# Altium PCB main.PcbDoc (part 2 of 2)
Units mm, origin at the board's own origin, x right, y up, seen from the top; angles counter-clockwise.
Board outline 102 x 102 mm, 2 copper layers (Top Layer, Bottom Layer); 121 components, 96 nets, 438 pads, 258 vias.
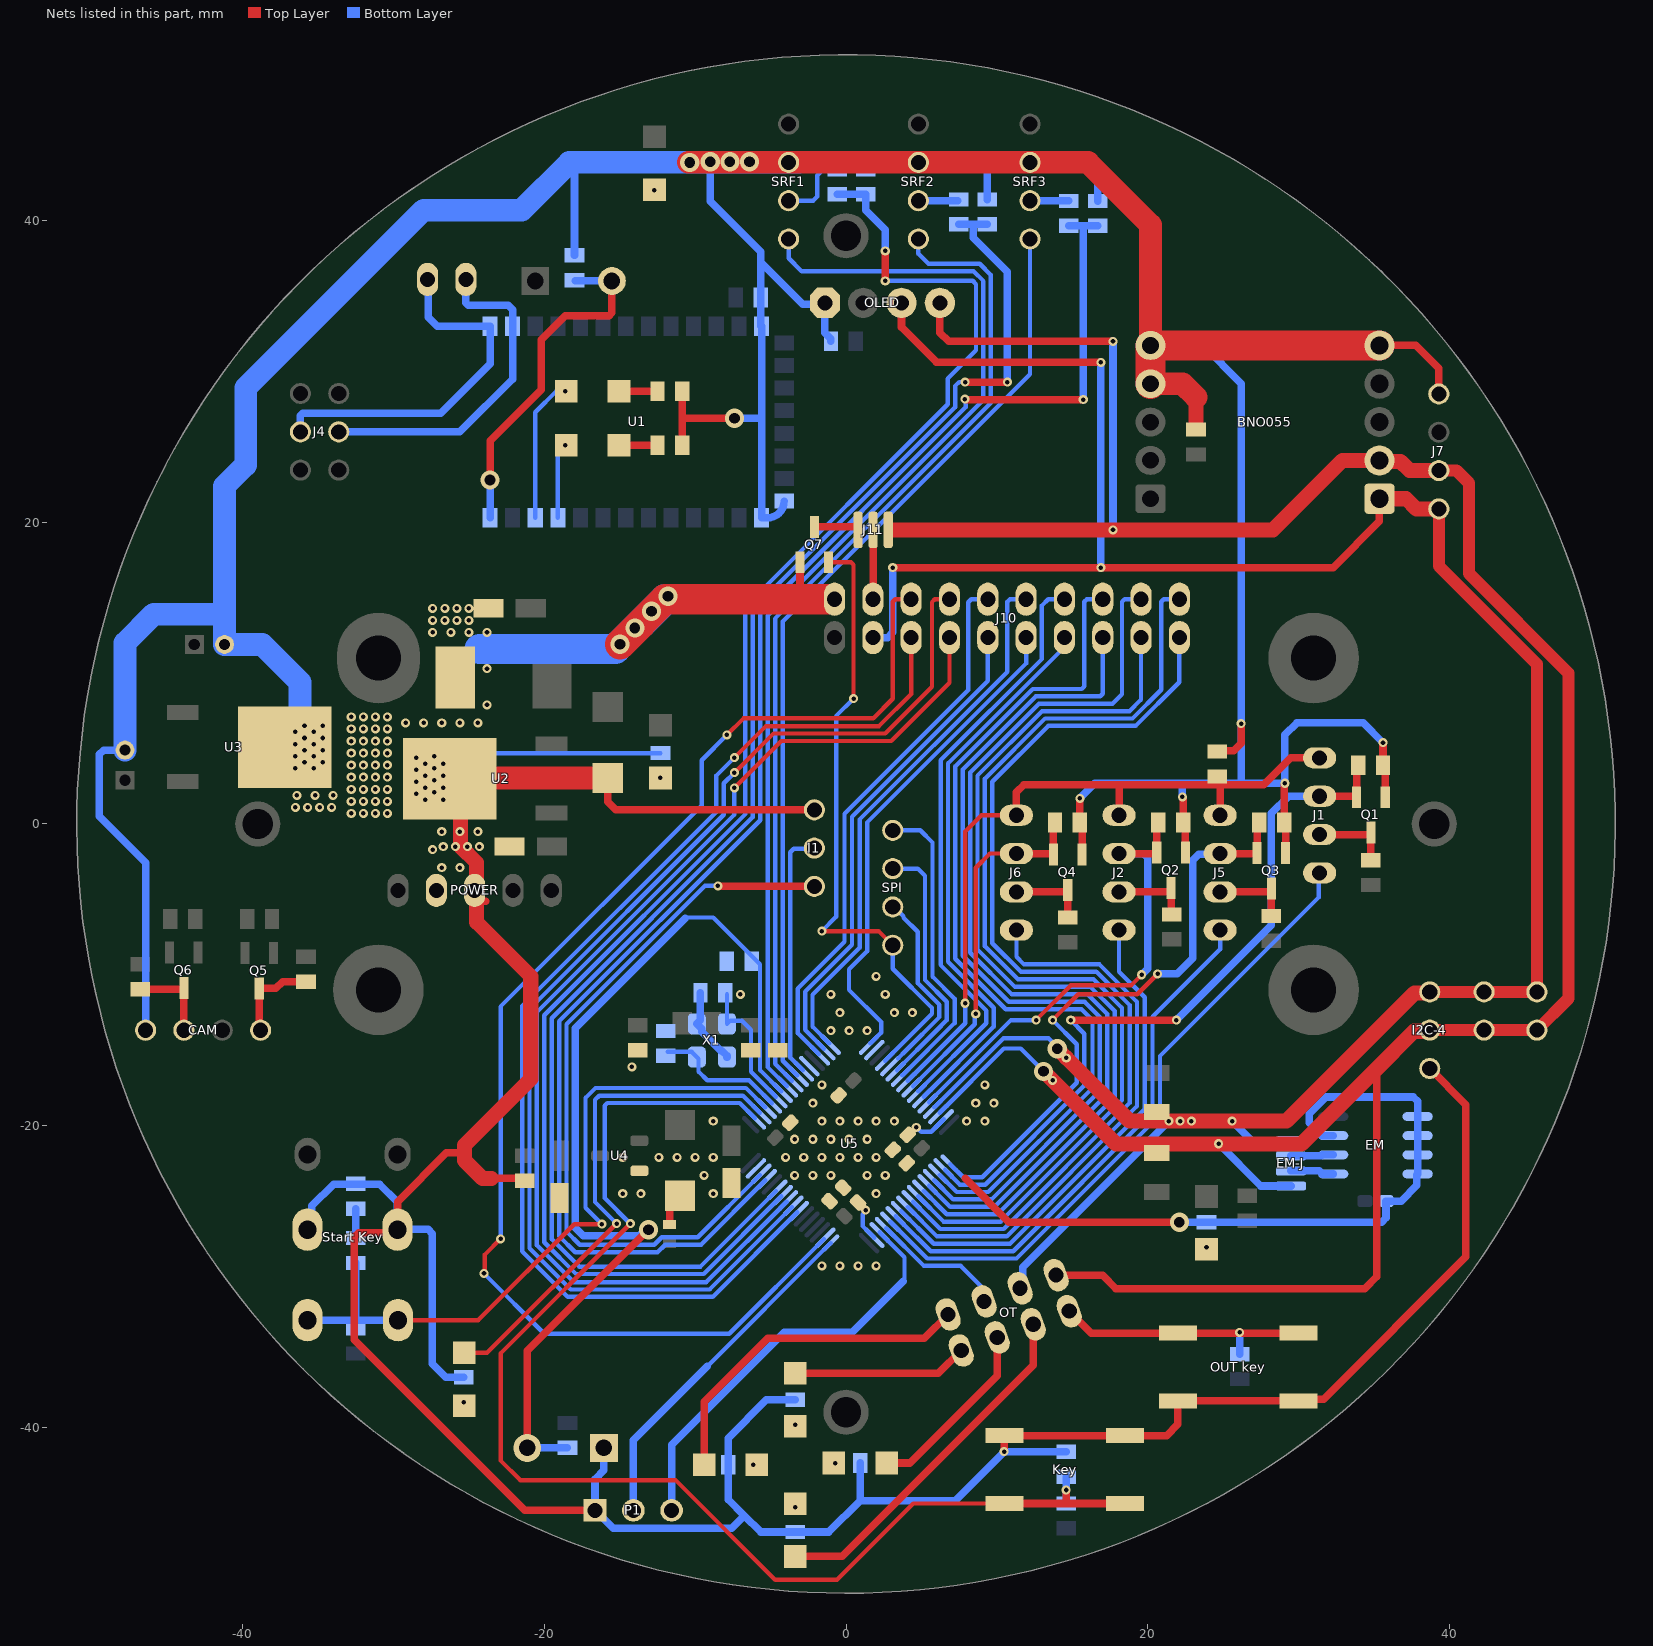
[diagram p2: the nets of this part, all layers, seen from the top]

## Via types
v1: diameter 0.6, hole 0.3, Top Layer to Bottom Layer, tented both sides, 240 vias
v2: diameter 1.27, hole 0.711, Top Layer to Bottom Layer, tented both sides, 18 vias

## Nets (pads, with @x,y where several pads share a name; then routed paths per layer and width w, separated by ;. In a path a pad name is that pad's centre, name@x,y a point inside that pad or via, vN(x,y) a via of type N, cw(c..) or ccw(c..) an arc to the next point about the centre after c; other vN are vias at no path point) (continued)
GND: "OUT key.2" "Start Key.2" "Start Key.5" BNO055.5 BNO055.6 BNO055.7 C1.2 C2.2 C3.2 C4.2 C5.2 C6.1 C12.2 C13.2 C14.2 C20.1 C25.2 C26.2 C27.2 C28.2 C29.2 C30.2 C31.2 C32.2 C33.2 C34.2 C35.2 C36.2 C37.1 C38.2 C39.2 CAM.4 Ck.1 EM.1 EM.2 EM.3 EM.4 EM.7 I1.3 I2C-4.3 J7.4 J9.2 J10.20 Key.2 NRST.1 OLED.1 P1.1 POWER.2 POWER.3 Q1.1 Q2.1 Q3.1 Q4.1 Q7.1 R1.2 R9.1 R10.1 R17.1 R20.1 R21.1 R37.2 R38.2 R39.2 R42.1 R43.1 R44.1 R45.1 R46.1 R48.1 RI1A.2 RI2A.1 RI3A.2 RI4A.2 SRF1.2 SRF2.2 SRF3.2 TVS1.1 TVS.1 U1.13 U1.21 U1.22 U2.2 U3.2 U4.1 U5.12 U5.18 U5.63 X1.2 X1.4 | length 646.3
  Top Layer w0.29: -3.05,15.05 -2.9,14.9
  Top Layer w0.5: U2.2@-26.275,3 U2.2@-26.225,3.05 ; -25.3,-21.8 -26.5,-21.8 -29.731,-25.031 -29.731,-26.9 -29.919,-27.088 -32.307,-27.088 -32.6,-27.381 -32.6,-34.2 -21.3,-45.5 P1.1@-16.64,-45.5 ; POWER.3@-24.62,-4.4 -24.62,-4.556 -24.486,-4.691 -24.051,-5.125 -23.895,-5.125 ; -23.5,-23.5 -21.45,-23.5 C6.1@-21.3,-23.65 ; TVS1.1@-15.8,3.05 -15.8,1.479 -15.261,0.94 I1.3@-2.1,0.94 ; J9.2@-11.7,-26.556 -11.7,-25.35 TVS.1@-11,-24.65 ; R10.1@-10.85,25.1 -10.85,26.9 ; R17.1@-10.85,28.7 -10.85,26.9 ; v2(-7.4,26.9) -10.85,26.9 ; -3.05,15.05 Q7.1@-3.05,17.35 ; 7.9,-23.5 10.8,-26.4 v2(22.1,-26.4) ; v1(10.484,-41.616) 10.484,-40.574 Key.2@10.507,-40.55 Key.2@18.492,-40.55 21.25,-40.55 22.007,-39.793 22.007,-38.25 29.992,-38.25 30.119,-38.123 31.677,-38.123 41.1,-28.7 41.1,-18.61 I2C-4.3@38.7,-16.21 ; v1(15.5,1.7) RI4A.2@15.5,0.1 15.65,-0.05 Q4.1@15.65,-2.025 ; v1(22.3,1.8) 22.3,1.773 22.35,1.723 RI3A.2@22.35,0.1 22.5,-0.05 Q2.1@22.5,-1.9 ; R1.2@24.6,4.8 24.657,4.857 25.707,4.857 26.2,5.35 v1(26.2,6.65) ; v1(29.1,2.7) 29.1,2.673 29.05,2.623 RI2A.1@29.05,0.1 29.15,0 Q3.1@29.15,-1.925 ; BNO055.5@35.367,31.724 37.776,31.724 39.3,30.2 J7.4@39.3,28.51 ; v1(35.6,5.4) RI1A.2@35.6,3.9 35.75,3.75 Q1.1@35.75,1.775
  Top Layer w1: U2.2@-25.55,4.65 -25.55,3.05 -25.55,-1.5 -24.486,-2.564 -24.486,-4.691 -24.486,-6.514 -20.9,-10.1 -20.9,-16.9 -25.3,-21.3 -25.3,-21.8 -25.3,-22.3 -24.1,-23.5 -23.5,-23.5 ; C12.2@23.2,26.4 23.2,28.3
  Top Layer w1.5: U2.2@-26.225,3.05 -25.55,3.05 TVS1.1@-15.8,3.05 ; v2@-10.46,43.86 SRF1.2@-3.8,43.86 SRF2.2@4.8,43.86 SRF3.2@12.2,43.86 16.04,43.86 20.186,39.714 BNO055.6@20.186,31.724 ; BNO055.7@20.186,29.184 22.316,29.184 23.2,28.3
  Top Layer w2: v2(-14.98,11.92) -12,14.9 -11,14.9 -2.9,14.9 J10.20@-1.2,14.9 ; BNO055.7@20.186,29.184 BNO055.6@20.186,31.724 BNO055.5@35.367,31.724
  Bottom Layer w0.29: -24.1,4.7 R9.1@-12.3,4.7
  Bottom Layer w0.5: C14.2@-47.8,4.9 -49.207,4.9 -49.5,4.607 -49.5,0.5 -46.434,-2.566 CAM.4@-46.434,-13.673 ; -35.7,-26.9 -35.413,-26.613 -35.413,-25.313 -33.973,-23.873 -30.927,-23.873 -29.753,-25.047 -29.753,-26.878 -27.711,-26.878 -27.418,-27.171 -27.418,-35.792 -26.528,-36.682 R42.1@-25.334,-36.682 ; -18.34,43.86 -18,43.52 R21.1@-18,37.7 ; NRST.1@-16.053,-41.365 -16.053,-42.853 -16.64,-43.44 P1.1@-16.64,-45.5 -15.44,-46.7 -7.577,-46.7 -6.739,-45.862 ; C36.2@-9.651,-11.176 -9.651,-13.012 X1.2@-9.89,-13.251 -9.571,-13.57 -9.571,-13.77 -8.309,-15.032 -8.236,-15.032 -7.89,-15.378 X1.4@-7.89,-15.451 ; v2(-9,43.9) -9,43.86 -9,41.3 -5.65,37.95 -5.65,37.25 ; v2(-7.4,26.9) -5.7,26.9 -5.6,27 ; U1.21@-4.1,21.4 cw(c-5.2,21.4) -5.2,20.3 U1.22@-5.6,20.3 -5.6,27 ; R46.1@-3.37,-38.176 -5.276,-38.176 -7.815,-40.715 R45.1@-7.815,-42.493 -7.815,-44.785 -6.739,-45.862 ; C25.2@-1,32 -1,32.175 -1.4,32.575 OLED.1@-1.4,34.55 -1.493,34.457 -2.857,34.457 -5.65,37.25 ; R43.1@0.947,-42.366 0.947,-44.853 ; R37.2@1.316,43.4 1.491,43.4 1.951,43.86 SRF2.2@4.8,43.86 ; R38.2@9.376,41.4 9.376,43.567 9.669,43.86 SRF3.2@12.2,43.86 16.24,43.86 16.682,43.418 R39.2@16.682,41.3 ; Ck.1@14.594,-41.616 v1(10.484,-41.616) 7.247,-44.853 0.947,-44.853 ; v1(15.5,1.7) 16.5,2.7 22.3,2.7 ; BNO055.6@20.186,31.724 23.676,31.724 26.2,29.2 26.2,2.7 ; v2(22.1,-26.4) R44.1@23.9,-26.4 35.507,-26.4 35.8,-26.107 C5.2@35.8,-25 36.8,-25 37.838,-23.962 37.838,-23.251 37.884,-23.205 EM.4@37.9,-23.205 EM.3@37.9,-21.935 EM.2@37.9,-20.665 EM.1@37.9,-19.395 37.9,-18.393 37.607,-18.1 31.834,-18.1 30.707,-19.227 30.707,-19.807 31.515,-20.615 31.523,-20.615 31.573,-20.665 EM.7@32.3,-20.665 ; v1@22.3,1.827 22.3,2.7 ; v1(35.6,5.4) 34.3,6.7 29.9,6.7 29.1,5.9 v1(29.1,2.7) 26.2,2.7 ; -6.739,-45.862 -5.662,-46.938 R48.1@-3.37,-46.938 -1.138,-46.938 0.947,-44.853 ; -5.65,37.25 C1.2@-5.65,34.9 -5.65,33.05 ccw(c-5.6,33.05) U1.13@-5.6,33 -5.6,27 ; 22.3,2.7 26.2,2.7
  Bottom Layer w1.5: C14.2@-47.8,4.9 -47.8,12 -45.9,13.9 -41.2,13.9 ; -36.2,6.4 -36.2,9.4 -38.7,11.9 C13.2@-41.2,11.9 -41.2,13.9 ; SRF1.2@-3.1,43.86 SRF1.2@-3.8,43.86 -6.4,43.86 -7.7,43.86 -9,43.86 v2(-10.36,43.86) -12.8,43.86 -18.34,43.86 -21.5,40.7 -28,40.7 -39.8,28.9 -39.8,23.8 -41.2,22.4 -41.2,13.9
  Bottom Layer w2: -24.3,11.6 -15.3,11.6 v2@-11.988,14.912
  other v1: -1.6,-29.3 -0.4,-29.3 0.8,-29.3 2,-29.3 -14.8,-24.5 -13.6,-24.5 -8.8,-24.5 2,-24.5 -9.4,-23.3 -3.4,-23.3 -2.2,-23.3 -1,-23.3 1.4,-23.3 2.6,-23.3 -14.8,-22.1 -12.4,-22.1 -11.2,-22.1 -10,-22.1 -8.8,-22.1 -4,-22.1 -2.8,-22.1 -1.6,-22.1 -0.4,-22.1 0.8,-22.1 2,-22.1 -3.4,-20.9 -2.2,-20.9 -1,-20.9 0.2,-20.9 1.4,-20.9 -8.8,-19.7 -1.6,-19.7 -0.4,-19.7 0.8,-19.7 2,-19.7 3.2,-19.7 8,-19.7 9.2,-19.7 -2.2,-18.5 8.6,-18.5 9.8,-18.5 -1.6,-17.3 9.2,-17.3 -14.2,-16.1 -1,-13.7 0.2,-13.7 1.4,-13.7 -0.4,-12.5 3.2,-12.5 4.4,-12.5 -7,-11.3 -1,-11.3 2.6,-11.3 2,-10.1 -26.8,-2.9 -25.6,-2.9 -27.4,-1.7 -26.7,-1.5 -25.9,-1.5 -25.1,-1.5 -24.3,-1.5 -26.8,-0.5 -25.6,-0.5 -24.4,-0.5 -32.8,0.7 -32,0.7 -31.2,0.7 -30.4,0.7 -36.5,1.1 -35.7,1.1 -34.9,1.1 -34.1,1.1 -32.8,1.5 -32,1.5 -31.2,1.5 -30.4,1.5 -27.9,1.6 -26.7,1.6 -36.4,1.9 -35.2,1.9 -34,1.9 -28.5,2 -27.3,2.1 -32.8,2.3 -32,2.3 -31.2,2.3 -30.4,2.3 -27.9,2.4 -26.7,2.4 -28.5,2.8 -27.3,2.9 -32.8,3.1 -32,3.1 -31.2,3.1 -30.4,3.1 -27.9,3.2 -26.7,3.2 -28.5,3.6 -36.5,3.7 -35.3,3.7 -27.3,3.7 -32.8,3.9 -32,3.9 -31.2,3.9 -30.4,3.9 -27.9,4 -26.7,4 -35.9,4.1 -34.7,4.1 -28.5,4.4 -36.5,4.5 -35.3,4.5 -27.3,4.5 -32.8,4.7 -32,4.7 -31.2,4.7 -30.4,4.7 -35.9,4.9 -34.7,4.9 -36.5,5.3 -35.3,5.3 -32.8,5.5 -32,5.5 -31.2,5.5 -30.4,5.5 -35.9,5.7 -34.7,5.7 -36.5,6.1 -35.3,6.1 -32.8,6.3 -32,6.3 -31.2,6.3 -30.4,6.3 -35.9,6.5 -34.7,6.5 -29.2,6.7 -28,6.7 -26.8,6.7 -25.6,6.7 -24.4,6.7 -32.8,7.1 -32,7.1 -31.2,7.1 -30.4,7.1 -23.8,7.9 -23.8,10.3 -27.4,12.7 -26.2,12.7 -25,12.7 -23.8,12.7 -27.4,13.5 -26.6,13.5 -25.8,13.5 -25,13.5 -27.4,14.3 -26.6,14.3 -25.8,14.3 -25,14.3
  other v2: -14,13 -12.9,14.1 -11.8,15.1 -7.7,43.9 -6.4,43.9
I2C-INT: OT.3 U5.45 | length 9
  Bottom Layer w0.29: U5.45@2.672,-26.809 2.675,-26.809 5.166,-29.3 7.6,-29.3 9.042,-30.742 9.042,-31.535 OT.3@9.158,-31.651
INT1-A: J1.2 Q1.2 RI1A.1 U5.34 | length 48.7
  Top Layer w0.5: v1(14.9,-13) v1(21.9,-13) ; J1.2@31.4,1.84 33.8,1.84 Q1.2@33.85,1.79 ; Q1.2@33.85,1.775 Q1.2@33.85,1.79 ; RI1A.1@33.95,3.9 33.85,3.8 Q1.2@33.85,1.79
  Bottom Layer w0.29: U5.34@6.561,-22.92 7.551,-23.91 9.232,-23.91 15.8,-17.342 15.8,-13.9 v1(14.9,-13)
  Bottom Layer w0.5: v1@21.919,-12.981 28.2,-6.7 28.2,0.7 29.34,1.84 J1.2@31.4,1.84
INT1-B: J1.3 Q1.3 R6.1 | length 5.2
  Top Layer w0.5: J1.3@31.4,-0.7 34.75,-0.7 Q1.3@34.8,-0.65 ; R6.1@34.8,-2.4 Q1.3@34.8,-0.65 ; Q1.3@34.8,-0.575 Q1.3@34.8,-0.65
INT2-A: J5.2 Q3.2 RI2A.2 U5.33 | length 40.2
  Top Layer w0.29: v1(13.697,-12.997) 15.4,-11.295 19.305,-11.295 v1(20.665,-9.934)
  Top Layer w0.5: J5.2@24.8,-1.96 27.215,-1.96 Q3.2@27.25,-1.925 27.25,-0.05 RI2A.2@27.4,0.1
  Bottom Layer w0.29: U5.33@6.915,-22.567 7.768,-23.42 9.029,-23.42 15.3,-17.149 15.3,-14.6 v1(13.697,-12.997)
  Bottom Layer w0.5: v1(20.665,-9.934) 21.966,-9.934 23,-8.9 23,-2.4 23.395,-2.005 24.755,-2.005 J5.2@24.8,-1.96
INT2-B: J5.3 Q3.3 R11.1 | length 5
  Top Layer w0.5: J5.3@24.8,-4.5 28.15,-4.5 28.2,-4.55 R11.1@28.2,-6.1
INT3-A: J2.2 Q2.2 RI3A.1 U5.28 | length 32.1
  Top Layer w0.29: v1(12.6,-13) 14.9,-10.7 18.9,-10.7 19.594,-10.006 v1(19.594,-9.994)
  Top Layer w0.5: J2.2@18.1,-1.96 20.55,-1.96 20.6,-1.91 Q2.2@20.6,-1.9 20.6,0 RI3A.1@20.7,0.1
  Bottom Layer w0.29: U5.28@5.501,-18.437 10.938,-13 v1(12.6,-13)
  Bottom Layer w0.5: J2.2@18.1,-1.96 19.707,-1.96 20,-2.253 20,-9.588 v1(19.594,-9.994)
INT3-B: J2.3 Q2.3 R7.1 | length 5.2
  Top Layer w0.5: J2.3@18.1,-4.5 21.5,-4.5 Q2.3@21.55,-4.45 ; Q2.3@21.55,-4.25 Q2.3@21.55,-4.45 ; R7.1@21.6,-6 21.55,-5.95 Q2.3@21.55,-4.45
INT4-A: J6.2 Q4.2 RI4A.1 U5.25 | length 23.9
  Top Layer w0.29: v1(8.6,-12.584) 8.6,-2.9 9.54,-1.96 J6.2@11.3,-1.96
  Top Layer w0.5: J6.2@11.3,-1.96 13.7,-1.96 Q4.2@13.75,-2.01 ; Q4.2@13.75,-2.025 Q4.2@13.75,-2.01 ; RI4A.1@13.85,0.1 13.75,0 Q4.2@13.75,-2.01
  Bottom Layer w0.29: U5.25@4.44,-17.376 8.541,-13.276 8.541,-12.643 v1(8.6,-12.584)
INT4-B: J6.3 Q4.3 R12.1 | length 5.2
  Top Layer w0.5: J6.3@11.3,-4.5 14.65,-4.5 Q4.3@14.7,-4.45 ; R12.1@14.7,-6.2 Q4.3@14.7,-4.45 ; Q4.3@14.7,-4.375 Q4.3@14.7,-4.45
Key: Ck.2 Key.1 R28.2 U5.2 | length 87.7
  Top Layer w0.29: v1(-14.3,-26.5) -22.9,-35.1 -22.9,-42.2 -21.6,-43.5 -11.3,-43.5 -4.7,-50.1 -0.6,-50.1 4.45,-45.05 Key.1@10.507,-45.05
  Top Layer w0.5: Key.1@10.507,-45.05 14.5,-45.05 ; v1(14.594,-44.155) 14.594,-44.956 14.5,-45.05 ; Key.1@18.492,-45.05 14.5,-45.05
  Bottom Layer w0.29: v1(-14.3,-26.5) -16.002,-24.798 -16.002,-18.67 -15.832,-18.5 -7.051,-18.5 U5.2@-6.053,-19.498
  Bottom Layer w0.5: R28.2@14.594,-45.044 v1(14.594,-44.155) Ck.2@14.594,-43.266
LED1: D5.1 U5.3 | length 34
  Top Layer w0.29: D5.1@-25.321,-35.058 -23.797,-35.058 -15.239,-26.5 v1(-15.212,-26.5)
  Bottom Layer w0.29: v1(-15.212,-26.5) -15.212,-26.488 -16.637,-25.063 -16.637,-18.288 -16.359,-18.01 -6.834,-18.01 U5.3@-5.7,-19.144
M-STBY: J1.1 J2.1 J5.1 J6.1 R1.1 U5.24 | length 48.5
  Top Layer w0.29: v1@7.9,-11.878 7.9,-0.5 8.98,0.58 J6.1@11.3,0.58
  Top Layer w0.5: J6.1@11.3,0.58 11.3,2.1 11.8,2.6 18.1,2.6 ; J2.1@18.1,0.58 18.1,2.6 ; J5.1@24.8,0.58 24.8,2.6 ; J1.1@31.4,4.38 29.48,4.38 27.7,2.6 24.8,2.6 ; 18.1,2.6 24.8,2.6
  Bottom Layer w0.29: U5.24@4.087,-17.023 7.9,-13.209 v1(7.9,-11.884)
MISO: SPI.2 U5.22 | length 17.2
  Bottom Layer w0.29: SPI.2@3.1,-2.96 4.3,-2.96 4.76,-2.96 5.24,-3.44 5.24,-10.34 6.68,-11.78 6.68,-13.001 5.948,-13.733 5.948,-13.748 U5.22@3.379,-16.316
MOSI: SPI.1 U5.23 | length 20.4
  Bottom Layer w0.29: SPI.1@3.1,-0.42 4.92,-0.42 5.73,-1.23 5.73,-10.12 7.2,-11.59 7.2,-13.202 U5.23@3.733,-16.669
NetC19_2: C19.2 C20.2 | length 2
  Bottom Layer w0.5: C19.2@-32.5,-27.45 C20.2@-32.5,-25.5
NetCAM_1: CAM.1 Q5.3 R18.2 | length 6.1
  Top Layer w0.29: CAM.1@-38.9,-13.587 CAM.1@-38.814,-13.673
  Top Layer w0.5: CAM.1@-38.9,-13.587 Q5.3@-38.9,-10.9 -37.8,-10.9 -37.35,-10.45 R18.2@-35.8,-10.45
NetCAM_3: CAM.3 Q6.3 R22.1 | length 5.7
  Top Layer w0.29: Q6.3@-43.975,-10.95 Q6.3@-43.9,-10.875 ; CAM.3@-43.9,-13.667 CAM.3@-43.894,-13.673
  Top Layer w0.5: R22.1@-46.8,-10.95 Q6.3@-43.975,-10.95 ; CAM.3@-43.9,-13.667 Q6.3@-43.9,-10.875
NetD1_2: D1.2 R9.2
  other v1: -12.3,3.05
NetD2_1: D2.1 U1.31 | length 5
  Bottom Layer w0.29: U1.31@-19.1,20.3 -19.1,24.6 v1(-18.6,25.1)
NetD2_2: D2.2 R10.2 | length 2.5
  Top Layer w0.5: D2.2@-15.05,25.1 R10.2@-12.5,25.1
NetD3_1: D3.1 U1.32 | length 9.6
  Bottom Layer w0.29: U1.32@-20.6,20.3 -20.6,27.3 -19.2,28.7 v1(-18.6,28.7)
NetD3_2: D3.2 R17.2 | length 2.5
  Top Layer w0.5: D3.2@-15.05,28.7 R17.2@-12.5,28.7
NetD4_2: D4.2 R20.2
  other v1: -12.7,42
NetD5_2: D5.2 R42.2
  other v1: -25.334,-38.332
NetD6_2: D6.2 R44.2
  other v1: 23.9,-28.05
NetD7_2: D7.2 R43.2
  other v1: -0.703,-42.366
NetD8_2: D8.2 R46.2
  other v1: -3.37,-39.826
NetD9_2: D9.2 R45.2
  other v1: -6.165,-42.493
NetD10_2: D10.2 R48.2
  other v1: -3.37,-45.288
NetEM-J_2: EM-J.2 EM.6 | length 2.8
  Bottom Layer w0.5: EM-J.2@29.5,-22 31.508,-22 31.573,-21.935 EM.6@32.3,-21.935
NetEM-J_3: EM-J.3 EM.5 | length 2.9
  Bottom Layer w0.5: EM-J.3@29.5,-23 31.368,-23 31.573,-23.205 EM.5@32.3,-23.205
NetJ3_1: J3.1 J4.3 U1.1 | length 24.4
  Bottom Layer w0.5: J4.3@-36.17,26 -36.17,27.072 -36,27.242 -26.858,27.242 -23.6,30.5 U1.1@-23.6,33 -27.1,33 -27.7,33.6 -27.7,36.06 J3.1@-27.74,36.1
NetJ3_2: J3.2 J4.4 U1.2 | length 22.6
  Bottom Layer w0.5: J4.4@-33.63,26 -25.6,26 -22.1,29.5 U1.2@-22.1,33 -22.1,34.1 -22.4,34.4 -25.03,34.4 -25.2,34.57 J3.2@-25.2,36.1 J3.2@-25.37,35.93
NetJ10_18: J10.18 J11.2 | length 4.6
  Top Layer w0.29: J10.18@1.78,14.9 J10.18@1.8,14.92
  Top Layer w0.5: J10.18@1.8,14.92 J11.2@1.8,19.5
NetJ11_3: J11.3 Q7.3 | length 3
  Top Layer w0.29: J11.3@0.645,19.7 0.8,19.545 J11.3@0.8,19.5
  Top Layer w0.5: Q7.3@-2.1,19.7 J11.3@0.645,19.7
NetR21_2: R21.2 S13.2 U1.34 | length 23.2
  Top Layer w0.5: v2(-23.6,22.8) -23.6,25.4 -20.2,28.8 -20.2,32.1 -18.6,33.7 -15.7,33.7 -15.52,33.88 S13.2@-15.52,36
  Bottom Layer w0.29: R21.2@-18,36.05 R21.2@-17.95,36
  Bottom Layer w0.5: U1.34@-23.6,20.3 v2(-23.6,22.8) ; R21.2@-17.95,36 S13.2@-15.52,36
NetR29_1: R29.1 SRF1.3 | length 4.9
  Bottom Layer w0.29: SRF1.3@-3.8,41.32 -2.18,41.32 -1.9,41.6 -1.9,43 -1.504,43.396 -0.593,43.396 R29.1@-0.589,43.4
NetR30_1: R30.1 SRF2.3 | length 2.7
  Bottom Layer w0.29: R30.1@7.391,41.32 R30.1@7.471,41.4
  Bottom Layer w0.5: SRF2.3@4.8,41.32 R30.1@7.391,41.32
NetR31_1: R31.1 SRF3.3 | length 2.6
  Bottom Layer w0.29: R31.1@14.757,41.32 R31.1@14.777,41.3
  Bottom Layer w0.5: SRF3.3@12.2,41.32 R31.1@14.757,41.32
NRES: C37.2 NRST.2 R51.1 U5.7 | length 64.5
  Top Layer w0.5: NRST.2@-21.133,-41.365 -21.133,-34.933 v2(-13.1,-26.9)
  Bottom Layer w0.29: -10.654,-6.246 -10.608,-6.2 -8.8,-6.2 -5.7,-9.3 -5.7,-16.316 U5.7@-4.286,-17.73
  Bottom Layer w0.5: NRST.2@-21.133,-41.365 R51.1@-18.466,-41.364 R51.1@-18.466,-41.364 ; v2(-13.1,-26.9) -13.308,-26.9 -13.708,-27.3 -17.41,-27.3 -17.938,-26.772 -17.938,-13.53 -10.654,-6.246
NSS: Q7.2 SPI.4 U5.20 | length 42
  Top Layer w0.29: v1(-1.6,-7.1) 2.16,-7.1 SPI.4@3.1,-8.04 ; Q7.2@-1.15,17.35 0.33,17.35 0.5,17.18 v1(0.5,8.308)
  Bottom Layer w0.29: v1(-1.6,-7.1) -0.655,-6.155 -0.655,7.153 v1(0.5,8.308) ; U5.20@2.587,-15.694 5.7,-12.581 5.7,-12.193 3.1,-9.593 SPI.4@3.1,-8.04
O-Key: "OUT key.1" OT.8 R47.2 | length 17.3
  Top Layer w0.5: OT.8@14.8,-32.3 16.25,-33.75 22.007,-33.75 26.023,-33.75 26.073,-33.7 26.127,-33.7 26.177,-33.75 29.992,-33.75
  Bottom Layer w0.5: R47.2@26.1,-35.15 v1(26.1,-33.7)
O-LED1: D9.1 OT.1 | length 22.8
  Top Layer w0.5: D9.1@-9.41,-42.493 -9.41,-38.31 -5.2,-34.1 5.19,-34.1 OT.1@6.771,-32.519
O-LED2: D10.1 OT.6 | length 23.8
  Top Layer w0.5: D10.1@-3.37,-48.561 -0.261,-48.561 12.413,-35.887 OT.6@12.413,-33.169
O-LED3: D8.1 OT.2 | length 11.6
  Top Layer w0.5: D8.1@-3.37,-36.425 6.121,-36.425 OT.2@7.64,-34.906
O-LED4: D7.1 OT.4 | length 12.3
  Top Layer w0.5: D7.1@2.698,-42.366 4.234,-42.366 10.026,-36.574 OT.4@10.026,-34.037
OSC_IN: C38.1 U5.5 X1.1 | length 8.8
  Bottom Layer w0.29: C38.1@-11.811,-15.112 -10.229,-15.112 -9.78,-15.561 -9.78,-16.416 -9.199,-16.998 -6.432,-16.998 U5.5@-4.908,-18.522
OSC_OUT: C36.1 U5.6 X1.3 | length 9
  Bottom Layer w0.29: C36.1@-7.89,-11.287 X1.3@-7.89,-13.251 -7.673,-13.034 -6.905,-13.034 -6.3,-13.639 -6.3,-16.423 U5.6@-4.639,-18.084
PWM1: J1.4 U5.44 | length 43.3
  Bottom Layer w0.29: U5.44@2.941,-26.371 3.473,-26.903 3.48,-26.903 5.387,-28.81 11.3,-28.81 20.819,-19.291 20.819,-15.381 31.33,-4.87 31.33,-3.31 J1.4@31.4,-3.24
PWM2: J5.4 U5.43 | length 35.7
  Bottom Layer w0.29: U5.43@3.295,-26.017 4.677,-27.4 4.691,-27.4 5.611,-28.32 11.08,-28.32 20.319,-19.081 20.319,-12.781 24.8,-8.3 J5.4@24.8,-7.04
PWM3: J2.4 U5.42 | length 33.3
  Bottom Layer w0.29: U5.42@3.648,-25.664 5.814,-27.83 10.87,-27.83 19.8,-18.9 19.8,-11.492 18.1,-9.792 J2.4@18.1,-7.04
PWM4: J6.4 U5.41 | length 37.5
  Bottom Layer w0.29: U5.41@4.087,-25.395 6.031,-27.34 10.653,-27.34 19.29,-18.703 19.29,-11.797 16.803,-9.31 11.803,-9.31 11.3,-8.807 J6.4@11.3,-7.04
SCK: SPI.3 U5.21 | length 12.5
  Bottom Layer w0.29: SPI.3@3.1,-5.5 3.2,-5.5 3.813,-6.113 3.813,-6.213 4.75,-7.15 4.75,-10.55 6.19,-11.99 6.19,-12.798 3.993,-14.995 U5.21@3.443,-15.545
SCL: BNO055.1 EM-J.1 I2C-1.1 I2C-2.1 I2C-4.1 J7.1 J10.17 OLED.3 OT.5 R2.1 U5.29 | length 179
  Top Layer w0.5: v1(3.1,17) 32.3,17 35.367,20.067 BNO055.1@35.367,21.564 ; OLED.3@3.68,34.55 3.68,32.92 6,30.6 v1(16.9,30.6)
  Top Layer w0.8: I2C-4.1@38.7,-11.13 I2C-1.1@42.3,-11.13 I2C-2.1@45.8,-11.13 45.8,10.6 39.3,17.1 J7.1@39.3,20.89
  Top Layer w1: v2@14.052,-14.952 v1(14.6,-15.5) 18.8,-19.7 v1(21.4,-19.7) v1(22.15,-19.7) v1(22.9,-19.7) v1(25.6,-19.7) 29.2,-19.7 37.693,-11.207 38.623,-11.207 I2C-4.1@38.7,-11.13 ; BNO055.1@35.367,21.564 37.136,21.564 37.81,20.89 J7.1@39.3,20.89
  Bottom Layer w0.29: U5.29@5.854,-18.791 10.445,-14.2 13.427,-14.2 14,-14.773 v2(14,-14.9)
  Bottom Layer w0.5: J10.17@1.992,12.572 J10.17@1.78,12.36 2.76,12.36 3.1,12.7 v1(3.1,17) ; OT.5@11.544,-30.782 11.717,-30.61 11.717,-29.383 v1@21.381,-19.719 ; v2(14,-14.9) v1(14.6,-15.5) ; v1(16.9,17) v1(16.9,30.6) ; v1(21.4,-19.7) v1(22.15,-19.7) v1(22.9,-19.7) ; v1(25.6,-19.7) 26.9,-21 EM-J.1@29.5,-21
SDA: BNO055.2 EM-J.4 I2C-1.2 I2C-2.2 I2C-4.2 J7.2 J11.1 OLED.4 OT.7 R3.1 U5.30 | length 196.2
  Top Layer w0.5: OLED.4@6.22,34.55 6.22,32.58 6.8,32 v1(17.7,32) ; OT.7@13.931,-29.913 17.013,-29.913 17.9,-30.8 34.4,-30.8 35.2,-30 35.2,-16.6 35,-16.4
  Top Layer w0.8: I2C-4.2@38.7,-13.67 I2C-1.2@42.3,-13.67 I2C-2.2@45.8,-13.67 47.9,-11.57 47.9,10 41.3,16.6 41.3,22.6 40.47,23.43 J7.2@39.3,23.43
  Top Layer w1: 3.2,19.5 v1(17.7,19.5) 28.3,19.5 32.904,24.104 BNO055.2@35.367,24.104 35.44,24.031 36.769,24.031 37.37,23.43 J7.2@39.3,23.43 ; v2(13.1,-16.4) v1(13.7,-17) 17.909,-21.209 30.191,-21.209 35,-16.4 37.659,-13.741 38.629,-13.741 I2C-4.2@38.7,-13.67
  Bottom Layer w0.29: U5.30@6.208,-19.144 10.465,-14.887 11.587,-14.887 v2(13.1,-16.4)
  Bottom Layer w0.5: v2(13.1,-16.4) v1(13.7,-17) ; v1(17.7,19.5) v1(17.7,32) ; v1(24.7,-21.2) 27.5,-24 EM-J.4@29.5,-24
SRF-E-1: R29.2 R37.1 U5.58 | length 108.4
  Top Layer w0.5: v1(2.6,36) v1(2.6,38)
  Bottom Layer w0.29: U5.58@-4.286,-24.688 -9.433,-29.835 -17.893,-29.835 -20.003,-27.725 -20.003,-12.675 -6.67,0.658 -6.67,14.416 6.743,27.829 6.743,29.526 8.62,31.403 8.62,35.787 8.397,36.01 2.61,36.01 v1(2.6,36)
  Bottom Layer w0.5: R29.2@-0.589,41.75 R37.1@1.316,41.75 1.316,40.684 2.6,39.4 v1(2.6,38)
SRF-E-2: R30.2 R38.1 U5.59 | length 102.1
  Top Layer w0.5: v1(7.9,29.3) v1(10.7,29.3)
  Bottom Layer w0.29: U5.59@-4.639,-24.334 -9.65,-29.345 -17.69,-29.345 -19.513,-27.522 -19.513,-12.878 -6.18,0.455 -6.18,14.213 7.233,27.626 7.233,29.033 7.5,29.3 v1@7.8,29.3
  Bottom Layer w0.5: R30.2@7.471,39.75 8.423,39.75 ; R38.1@9.376,39.75 8.423,39.75 ; v1(10.7,29.3) 10.7,36.6 8.423,38.877 8.423,39.75
SRF-E-3: R31.2 R39.1 U5.61 | length 104.1
  Top Layer w0.5: v1(7.878,28.163) 7.897,28.144 7.968,28.144 7.982,28.13 v1(15.73,28.13)
  Bottom Layer w0.29: U5.61@-5.346,-23.627 -9.609,-27.89 -11.99,-27.89 -12.5,-28.4 -17.942,-28.4 -19.023,-27.319 -19.023,-13.081 -5.69,0.252 -5.69,14.01 7.93,27.63 7.93,28.111 v1(7.878,28.163)
  Bottom Layer w0.5: R31.2@14.777,39.65 15.73,39.65 ; v1(15.73,28.13) 15.73,39.65 ; R39.1@16.682,39.65 15.73,39.65
SRF-E-4: I1.1 U5.62 | length 49.1
  Top Layer w0.5: v1(-8.5,-4.1) -8.473,-4.1 -8.433,-4.14 I1.1@-2.1,-4.14
  Bottom Layer w0.29: v1(-8.5,-4.1) -9.349,-4.1 -18.533,-13.284 -18.533,-27.018 -17.656,-27.895 -12.709,-27.895 -12.214,-27.4 -9.826,-27.4 U5.62@-5.7,-23.274
SRF-T-1: SRF1.4 U5.8 | length 74.6
  Bottom Layer w0.29: U5.8@-3.932,-17.376 -5.2,-16.109 -5.2,13.807 9.11,28.117 9.11,35.99 8.455,36.645 -2.945,36.645 -3.8,37.5 SRF1.4@-3.8,38.78
SRF-T-2: SRF2.4 U5.9 | length 66.2
  Bottom Layer w0.29: U5.9@-3.579,-17.023 -4.7,-15.901 -4.7,13.614 9.6,27.914 9.6,36.4 8.865,37.135 5.465,37.135 4.8,37.8 SRF2.4@4.8,38.78
SRF-T-3: SRF3.4 U5.10 | length 62.6
  Bottom Layer w0.29: U5.10@-3.225,-16.669 -4.2,-15.694 -4.2,13.421 12.2,29.821 SRF3.4@12.2,38.78
SRF-T-4: I1.2 U5.11 | length 16.5
  Bottom Layer w0.29: U5.11@-2.871,-16.316 -3.7,-15.487 -3.7,-1.87 -3.465,-1.635 -2.135,-1.635 I1.2@-2.1,-1.6
Start-key: "Start Key.1" "Start Key.4" C19.1 R41.2 U5.4 | length 47.5
  Top Layer w0.29: -29.7,-32.9 -24.391,-32.9 -18.024,-26.533 -16.192,-26.533 v1(-16.184,-26.525)
  Bottom Layer w0.29: v1(-16.184,-26.525) -16.192,-26.525 -17.272,-25.445 -17.272,-18.161 -16.611,-17.5 -6.637,-17.5 U5.4@-5.346,-18.791
  Bottom Layer w0.5: -35.7,-32.9 -32.5,-32.9 ; C19.1@-32.5,-29.1 -32.5,-32.9 ; -29.7,-32.9 -32.5,-32.9
SWC: P1.2 U5.49 | length 23.1
  Bottom Layer w0.29: -9.2,-35.959 -1.455,-28.214 -1.451,-28.214 -1.021,-27.785 U5.49@-1.019,-27.785
  Bottom Layer w0.5: P1.2@-14.1,-45.5 -14.1,-40.859 -9.2,-35.959
SWD: P1.3 U5.46 | length 28.1
  Bottom Layer w0.29: U5.46@2.234,-27.078 3.878,-28.722 3.878,-30.222 3.794,-30.306
  Bottom Layer w0.5: P1.3@-11.56,-45.5 -11.56,-41.16 -4.1,-33.7 0.4,-33.7 3.794,-30.306
TSSP1: J10.1 U5.40 | length 64.7
  Bottom Layer w0.29: U5.40@4.44,-25.042 6.249,-26.85 10.45,-26.85 18.8,-18.5 18.8,-12 16.6,-9.8 11.6,-9.8 9.7,-7.9 9.7,2.8 13.4,6.5 19.2,6.5 22.1,9.4 J10.1@22.1,12.36
TSSP2: J10.2 U5.39 | length 66.8
  Bottom Layer w0.29: U5.39@4.794,-24.688 6.466,-26.36 10.247,-26.36 18.3,-18.307 18.3,-12.193 16.407,-10.3 11.4,-10.3 9.21,-8.11 9.21,2.203 9.21,3.003 13.197,6.99 13.997,6.99 18.997,6.99 20.9,8.893 20.9,14.73 21.07,14.9 J10.2@22.1,14.9
TSSP3: J10.3 U5.38 | length 61.6
  Bottom Layer w0.29: U5.38@5.147,-24.334 6.683,-25.87 10.044,-25.87 17.81,-18.104 17.81,-12.396 16.214,-10.8 11.2,-10.8 8.72,-8.32 8.72,2.406 8.72,3.206 12.994,7.48 13.794,7.48 18.794,7.48 19.56,8.246 J10.3@19.56,12.36
TSSP4: J10.4 U5.37 | length 63.2
  Bottom Layer w0.29: U5.37@5.501,-23.981 6.9,-25.38 9.841,-25.38 17.32,-17.901 17.32,-12.599 16.021,-11.3 11,-11.3 8.23,-8.53 8.23,2.609 8.23,3.409 12.791,7.97 13.591,7.97 17.67,7.97 18.3,8.6 18.3,14.73 18.47,14.9 J10.4@19.56,14.9
TSSP5: J10.5 U5.36 | length 57.6
  Bottom Layer w0.29: U5.36@5.854,-23.627 7.117,-24.89 9.638,-24.89 16.83,-17.698 16.83,-12.802 15.818,-11.79 10.797,-11.79 7.74,-8.733 7.74,2.812 7.74,3.612 12.588,8.46 13.388,8.46 16.85,8.46 17.02,8.63 J10.5@17.02,12.36
TSSP6: J10.6 U5.35 | length 59.1
  Bottom Layer w0.29: U5.35@6.208,-23.274 7.334,-24.4 9.435,-24.4 16.34,-17.495 16.34,-13.005 15.615,-12.28 10.594,-12.28 7.25,-8.936 7.25,3.815 12.385,8.95 13.185,8.95 15.63,8.95 15.8,9.12 15.8,14.73 15.97,14.9 J10.6@17.02,14.9
TSSP7: J10.7 U5.27 | length 36.8
  Bottom Layer w0.29: U5.27@5.147,-18.084 9.8,-13.431 9.8,-12.179 6.76,-9.139 6.76,4.018 14.279,11.536 14.279,12.159 J10.7@14.48,12.36
TSSP8: J10.8 U5.26 | length 39.8
  Bottom Layer w0.29: U5.26@4.794,-17.73 5.241,-17.283 5.241,-17.276 8.9,-13.617 8.9,-13.61 9.3,-13.21 9.3,-12.372 6.27,-9.342 6.27,4.221 12.985,10.936 12.985,14.485 13.4,14.9 J10.8@14.48,14.9
TSSP9: J10.9 U5.17 | length 33
  Bottom Layer w0.29: U5.17@1.612,-14.548 2.33,-13.83 2.33,-13.13 0.2,-11 0.2,-9.637 1.4,-8.437 1.4,0.1 11.94,10.64 J10.9@11.94,12.36
TSSP10: J10.10 U5.16 | length 36.4
  Bottom Layer w0.29: U5.16@-1.104,-14.548 -2.22,-13.432 -2.22,-11.318 0.9,-8.198 0.9,0.293 10.7,10.093 10.7,14.73 10.87,14.9 J10.10@11.94,14.9
TSSP11: J10.11 U5.15 | length 32.8
  Bottom Layer w0.29: U5.15@-1.457,-14.902 -2.71,-13.649 -2.71,-11.115 0.4,-8.005 0.4,0.486 9.4,9.486 J10.11@9.4,12.36
TSSP12: J10.12 U5.14 | length 36.6
  Bottom Layer w0.29: U5.14@-1.811,-15.255 -3.2,-13.866 -3.2,-10.912 -0.1,-7.812 -0.1,0.679 8.1,8.879 8.1,14.7 8.3,14.9 J10.12@9.4,14.9
TSSP13: J10.13 U5.57 | length 75.7
  Top Layer w0.29: v1(-7.4,2.4) -4.3,5.5 3,5.5 6.86,9.36 J10.13@6.86,12.36
  Bottom Layer w0.29: v1(-7.4,2.4) -7.4,0.621 -20.493,-12.472 -20.493,-27.928 -18.051,-30.37 -9.261,-30.37 U5.57@-3.932,-25.042
TSSP14: J10.14 U5.56 | length 80.3
  Top Layer w0.29: v1(-7.4,3.4) -4.8,6 2.6,6 5.7,9.1 5.7,14.712 5.888,14.9 J10.14@6.86,14.9
  Bottom Layer w0.29: v1(-7.4,3.4) -8.1,2.7 -8.1,0.614 -20.983,-12.269 -20.983,-28.131 -18.254,-30.86 -9.043,-30.86 U5.56@-3.579,-25.395
TSSP15: J10.15 U5.55 | length 77.6
  Top Layer w0.29: v1(-7.4,4.4) -5.31,6.49 2.19,6.49 4.32,8.62 J10.15@4.32,12.36
  Bottom Layer w0.29: v1(-7.4,4.4) -8.59,3.21 -8.59,0.817 -21.473,-12.066 -21.473,-28.334 -18.457,-31.35 -8.826,-31.35 U5.55@-3.225,-25.749
TSSP16: J10.16 U5.50 | length 88.9
  Top Layer w0.29: v1(-24,-29.8) -23.941,-29.741 -23.941,-28.541 v1(-22.9,-27.5) ; v1(-7.9,5.9) -6.8,7 1.8,7 3.1,8.3 3.1,14.73 3.27,14.9 J10.16@4.32,14.9
  Bottom Layer w0.29: v1(-24,-29.8) -20,-33.8 -7.741,-33.8 U5.50@-1.457,-27.516 ; v1(-22.9,-27.5) -22.9,-12.107 -9.57,1.223 -9.57,4.23 v1(-7.9,5.9)
VCAP1: C34.1 U5.31 | length 2.3
  Bottom Layer w0.29: v1(4.655,-20.117) 4.691,-20.117 4.98,-20.407 5.653,-20.407 U5.31@6.477,-19.583
VCAP2: C35.1 U5.47 | length 2.6
  Top Layer w0.29: C35.1@0.795,-25.095 v1(1.3,-25.6)
  Bottom Layer w0.29: 1.1,-25.884 1.1,-26.648 1.88,-27.429 U5.47@1.88,-27.432
pads on no net: "Start Key.3" "Start Key.6" BNO055.3 BNO055.4 BNO055.8 BNO055.9 U1.3 U1.4 U1.5 U1.6 U1.7 U1.8 U1.9 U1.10 U1.11 U1.14 U1.15 U1.16 U1.17 U1.18 U1.19 U1.20 U1.23 U1.24 U1.25 U1.26 U1.27 U1.28 U1.29 U1.30 U1.33 U5.1

## Polygon pours and split planes (outlines as drawn)
GND on Bottom Layer "GND_L02_P000" (solid, remove dead copper, pour order 0): -17.5,-25.8 -6.1,-25.8 -0.9,-31 1.8,-31 10.4,-22.4 10.4,-18 0.8,-8.4 -9.2,-8.4 -17.5,-16.7
GND on Top Layer "GND_L01_P001" (solid, remove dead copper, pour order 1): -22.2,-25.9 -22.1,-25.8 -6.1,-25.8 -0.9,-31 1.8,-31 10.4,-22.4 10.4,-18 0.8,-8.4 -9.2,-8.4 -22.2,-21.4 -22.2,-25.8

## Other copper
Top Layer:
  rectangle net GND: -28,-5.6 -23.1,14.9
  rectangle net GND: -37,0.3 -27.7,7.8
  pour cut-out: -11.7,-12.25 -8.1,-12.25 -8.1,-14.15 -11.7,-14.15
Bottom Layer:
  rectangle net GND: -23.5,-2.7 -16.1,14.9
  rectangle net GND: -37,0.3 -27.8,7.8
  rectangle net GND: -28,-5.6 -23.1,14.9

## Silkscreen, mask and mechanical layers (free items; w line width, h text height)
Top Overlay:
  lines w0.254: -11.1,-43.78 -11.1,-41.028 -10.807,-40.735 -4.772,-34.7 -1.765,-34.7 4.377,-40.842 4.377,-43.89 -1.933,-50.2 -4.68,-50.2 -11.1,-43.78 ; 9.1,-9.3 9.1,5 9.1,6 15.228,5.951 36.9,6.022 36.9,-9.27 13.749,-9.346 9.1,-9.3
  text "TX" at -29.151,37.704 h2
  text "RX" at -26.151,37.704 h2
  text "Satyar Salehian" at 17.8,37.678 h2
  text "designed" at 17.8,35.678 h2
  text "2023 - Fazili RC" at 17.8,33.723 h2
  text "RX" at -37.7,30.5 h2
  text "TX" at -34.6,30.5 h2
  text "RX" at -37.5,19.8 h2
  text "TX" at -34.4,19.8 h2
  text "Motors" at 14.7,3.623 h2
  text "SDA" at 42,-17.079 h2
Mechanical 1:
  lines w0.127: -50.077,9.659 ccw(c0,0) -50.063,9.732

## Text inside footprints (layer, text, board x,y; h text height)
C13: Top Overlay "+" at -46.175,11.15 h1.2
C14: Top Overlay "+" at -47.05,-0.075 h1.2 r90
J10: Bottom Overlay "2" at 25.529,14.316 h1.2; Bottom Overlay "1" at 25.199,11.725 h1.2
OT: Bottom Overlay "1" at 4.015,-32.82 h1.2 r200; Bottom Overlay "2" at 4.665,-35.421 h1.2 r200